# Altium PCB Ethernet2MilProtocolAdapter.PcbDoc (part 3 of 3)
Units mil, origin at the board's own origin, x right, y up, seen from the top; angles counter-clockwise.
Board outline 3750 x 3500 mil, 6 copper layers (SIG TOP, GND 1, PWR, SIG, GND 2, SIG BOT), stack 60.566 mil thick; 244 components, 326 nets, 968 pads, 499 vias.
Unrouted connection lines stored in the file: 227.
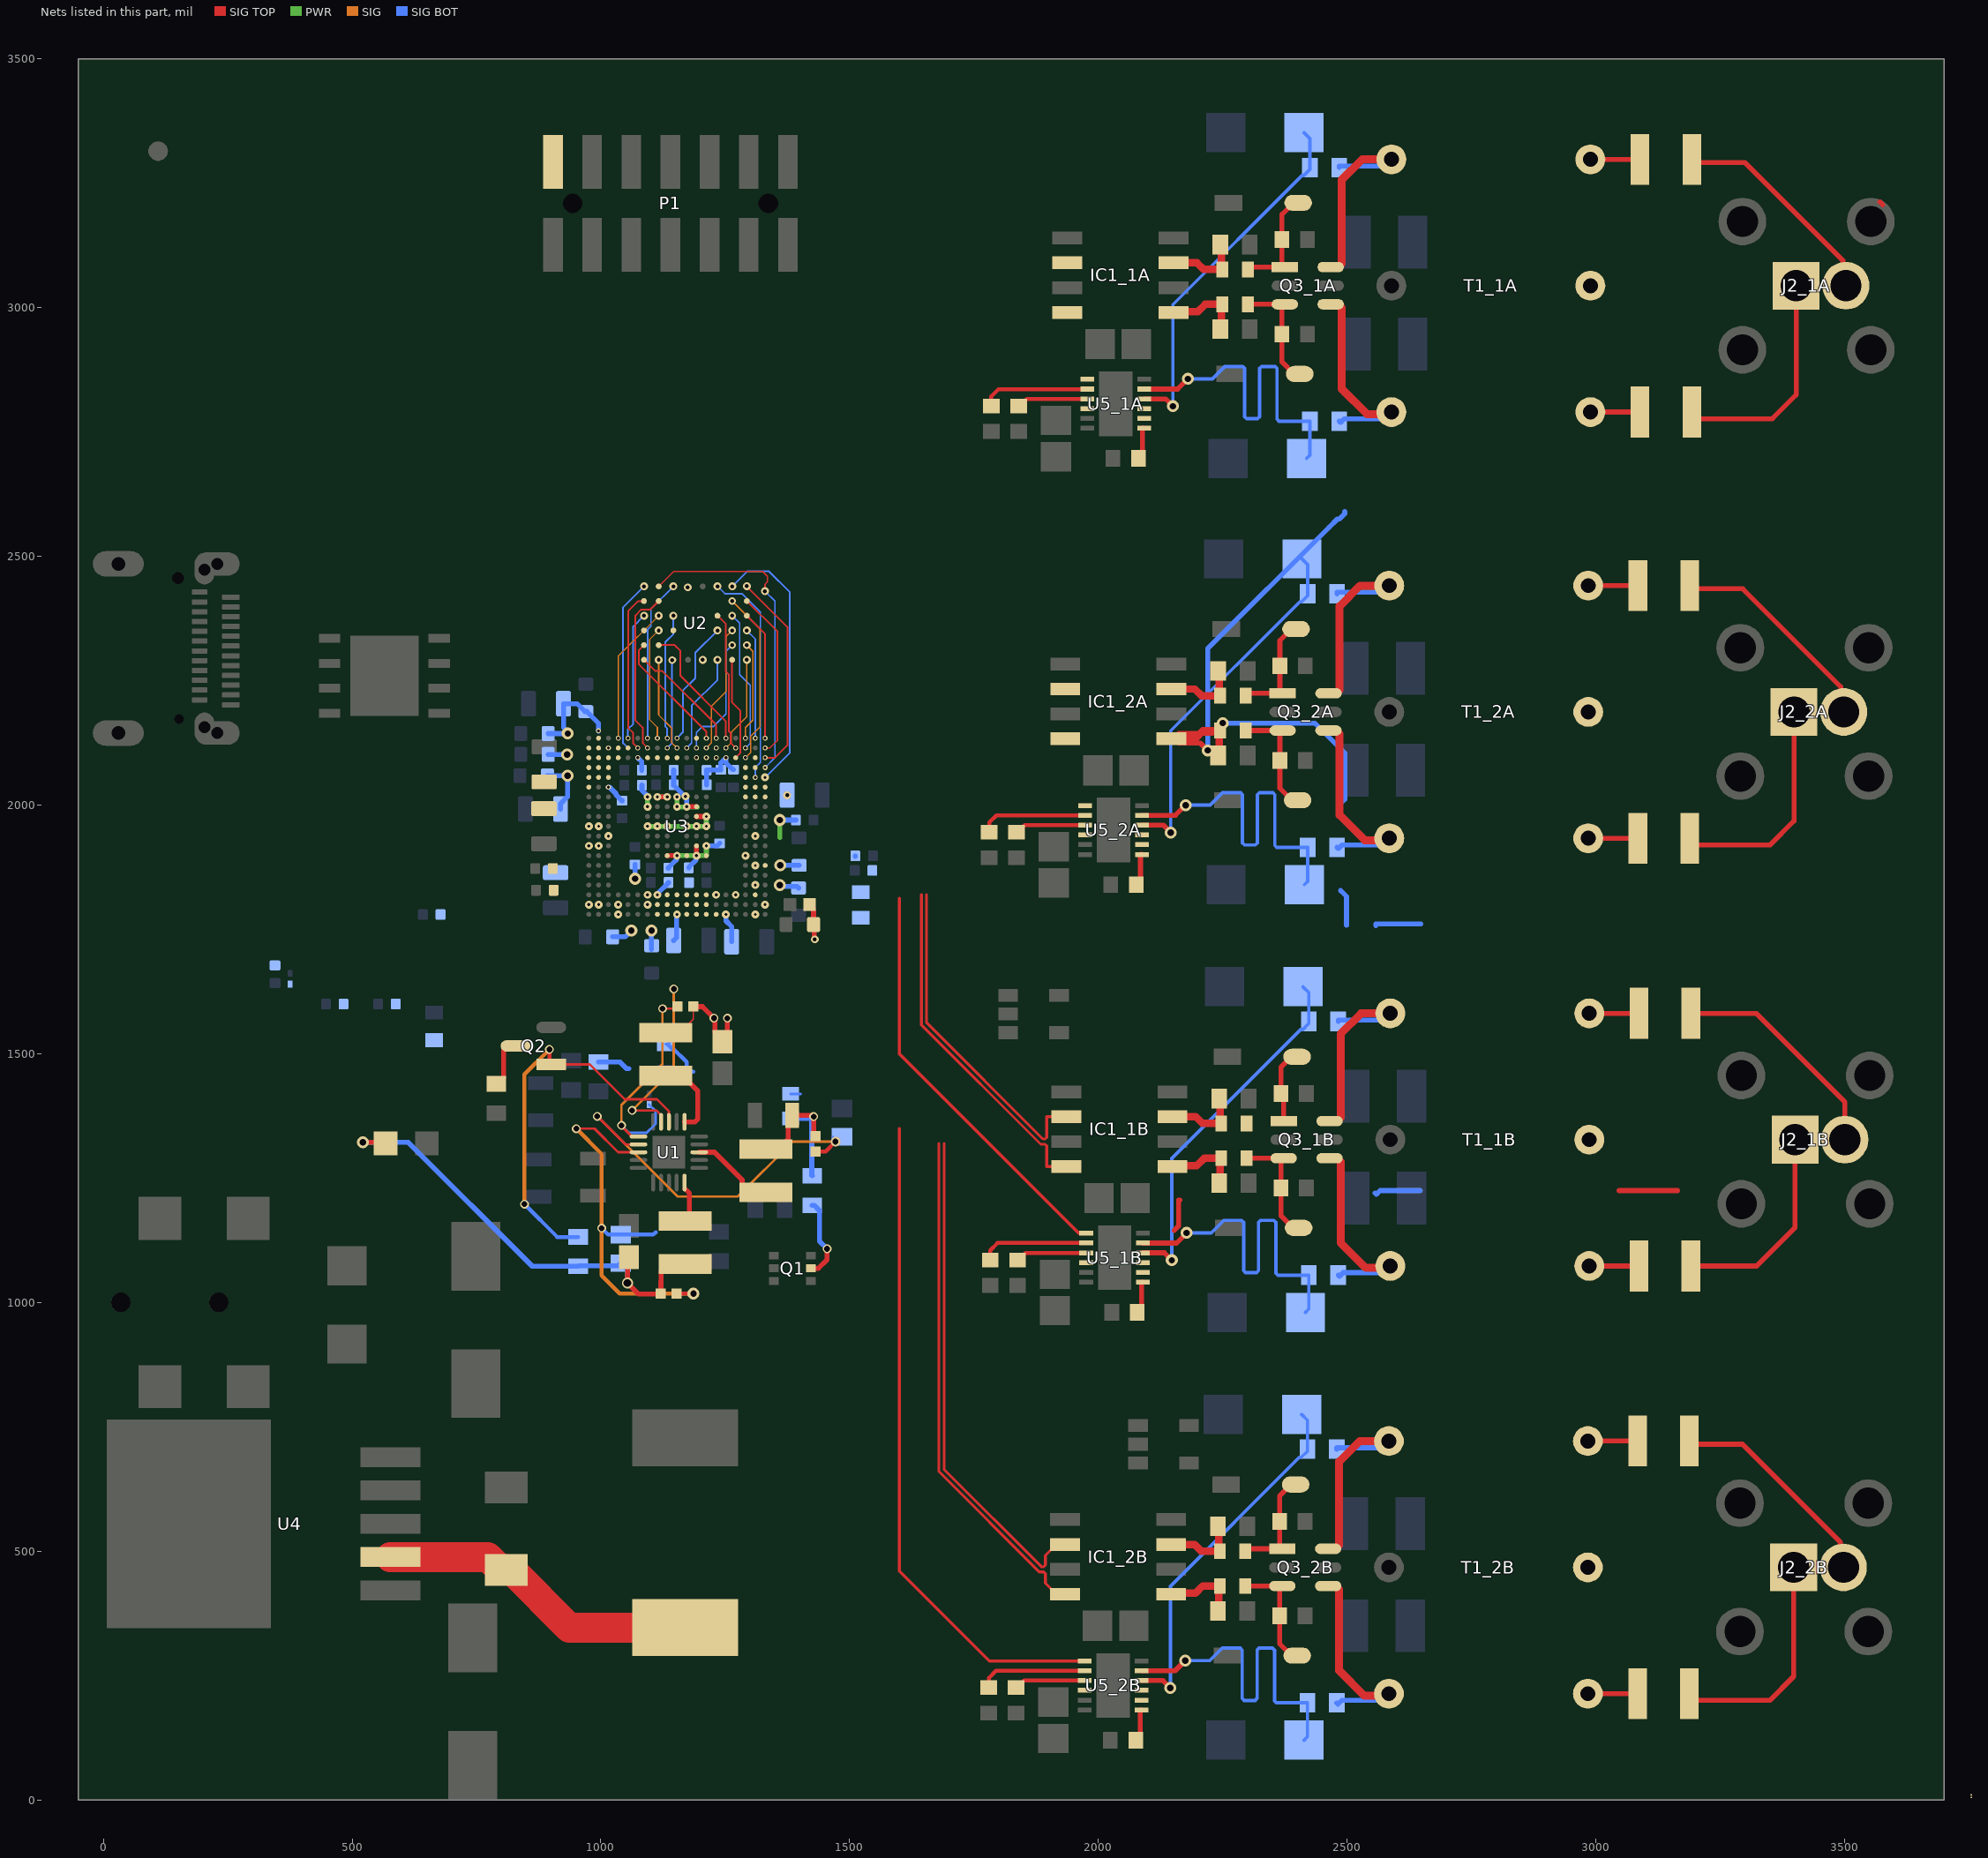
[diagram p7: the nets of this part, all layers, seen from the top]

## Via types
v1: diameter 15.75, hole 5.91, SIG TOP to SIG BOT, tented both sides, 138 vias
v2: diameter 24, hole 13, SIG TOP to SIG BOT, tented both sides, 107 vias
v3: diameter 15.75, hole 7.87, SIG TOP to SIG BOT, tented both sides, 49 vias
v4: diameter 9.84, hole 5.91, SIG TOP to SIG BOT, tented both sides, 46 vias
v5: diameter 19.68, hole 11.81, SIG TOP to SIG BOT, tented both sides, 45 vias
v6: diameter 17.72, hole 11.81, SIG TOP to SIG BOT, tented both sides, 34 vias
v7: diameter 23.62, hole 19.68, SIG TOP to SIG BOT, tented both sides, 27 vias
v8: diameter 19.68, hole 7.87, SIG TOP to SIG BOT, 24 vias
v9: diameter 24/0/0/0/0/24 (per signal layer), hole 13, SIG TOP to SIG BOT, tented both sides, 20 vias
v10: diameter 21.65, hole 15.75, SIG TOP to SIG BOT, tented both sides, 8 vias
v11: diameter 177.17, hole 118.11, SIG TOP to SIG BOT, 1 vias

## Nets (pads, with @x,y where several pads share a name; then routed paths per layer and width w, separated by ;. In a path a pad name is that pad's centre, name@x,y a point inside that pad or via, vN(x,y) a via of type N, cw(c..) or ccw(c..) an arc to the next point about the centre after c; other vN are vias at no path point) (continued)
NetQ1_5: Q1.5 R15.1 | length 163.7
  SIG TOP w10: Q1.5@1422.56,1068.59 1437.4,1068.59 1455,1086.18 1455,1107.72 v6(1454.88,1107.85)
  SIG BOT w10: R15.1@1425,1195.47 1428.94,1195.47 1439.69,1184.72 1439.69,1123.04 v6(1454.88,1107.85)
NetQ2_3: Q2.3 R12.2 | length 103.5
  SIG TOP w10: R12.2@790,1439.53 793.94,1439.53 804.69,1450.28 804.69,1506.98 813.49,1515.78 Q2.3@828.66,1515.78
NetR47_1: R47.1@3755,5
NetR47_2: R47.2@3755,10
NetR58_2: R58.2
NetR59_2: R59.2
NetR60_2: R60.2
NetR61_2: R61.2
NetT1_1A_4: T1_1A.4
NetT1_1B_4: T1_1B.4
NetT1_2A_4: T1_2A.4
NetT1_2B_4: T1_2B.4
NetU2_A3: U2.A3
NetU2_C3: U2.C3
NetU3_A2: U3.A2
  other v1: 975.89,1799.97
NetU3_A8: U3.A8
  other v1: 975.89,1918.08
NetU3_A10: U3.A10
  other v1: 975.89,1957.45
NetU3_A14: U3.A14
NetU3_A15: U3.A15
NetU3_A16: U3.A16
NetU3_A17: U3.A17
NetU3_A18: U3.A18
NetU3_B2: U3.B2
  other v1: 995.57,1799.97
NetU3_B8: U3.B8
  other v1: 995.57,1918.08
NetU3_B10: U3.B10
  other v1: 995.57,1957.45
NetU3_B15: U3.B15
NetU3_B16: U3.B16
NetU3_B17: U3.B17
NetU3_B18: U3.B18
NetU3_C15: U3.C15
NetU3_C16: U3.C16
NetU3_C17: U3.C17
NetU3_D1: U3.D1
  other v1: 1034.94,1780.28
NetU3_D2: U3.D2
  other v1: 1034.94,1799.97
NetU3_D17: U3.D17
NetU3_D18: U3.D18
NetU3_G2: U3.G2
  other v1: 1094,1799.97
NetU3_G3: U3.G3
  other v1: 1094,1819.65
NetU3_G17: U3.G17
NetU3_H1: U3.H1
NetU3_H2: U3.H2
NetU3_H17: U3.H17
NetU3_J1: U3.J1
NetU3_J2: U3.J2
NetU3_J3: U3.J3
NetU3_J17: U3.J17
NetU3_K2: U3.K2
NetU3_K3: U3.K3
NetU3_K17: U3.K17
NetU3_L1: U3.L1
NetU3_L2: U3.L2
NetU3_L3: U3.L3
NetU3_M1: U3.M1
NetU3_M2: U3.M2
NetU3_M3: U3.M3
NetU3_M19: U3.M19
NetU3_N1: U3.N1
NetU3_N2: U3.N2
NetU3_N3: U3.N3
NetU3_N17: U3.N17
  other v4: 1212.11,2095.25
NetU3_P1: U3.P1
NetU3_P3: U3.P3
  other v1: 1231.8,1819.65
NetU3_P17: U3.P17
  other v4: 1231.8,2095.25
NetU3_P18: U3.P18
  other v4: 1231.8,2114.93 1231.8,2114.93 1231.8,2114.93
NetU3_T3: U3.T3
  other v1: 1271.17,1819.65
NetU3_U7: U3.U7
  other v1: 1290.85,1898.39 1290.85,1898.39
NetU3_U14: U3.U14
NetU3_U15: U3.U15
NetU3_U16: U3.U16
NetU3_V3: U3.V3
NetU3_V4: U3.V4
  other v1: 1310.54,1839.34
NetU3_V13: U3.V13
NetU3_V14: U3.V14
NetU3_V16: U3.V16
NetU3_V17: U3.V17
NetU3_W2: U3.W2
  other v1: 1330.22,1799.97
NetU3_W6: U3.W6
NetU3_W13: U3.W13
NetU3_W14: U3.W14
NetU5_1A_4: U5_1A.4
NetU5_1A_8: U5_1A.8
NetU5_1A_9: U5_1A.9
NetU5_1B_4: U5_1B.4
NetU5_1B_8: U5_1B.8
NetU5_1B_9: U5_1B.9
NetU5_2A_4: U5_2A.4
NetU5_2A_8: U5_2A.8
NetU5_2A_9: U5_2A.9
NetU5_2B_4: U5_2B.4
NetU5_2B_8: U5_2B.8
NetU5_2B_9: U5_2B.9
PGOOD: Q2.1 R11.2 U1.3 | length 796
  SIG TOP w5: Q2.1@900.33,1478.37 978.24,1478.37 1047.84,1408.77 1112.51,1408.77 1136.81,1384.47 U1.3@1136.81,1363.1
  SIG TOP w8: v6(896.65,1508.76) 896.65,1482.06 Q2.1@900.33,1478.37
  SIG w8: v6(846.35,1197.73) 846.35,1458.46 v6(896.65,1508.76)
  SIG BOT w8: v6(846.35,1197.73) 912.25,1131.82 R11.2@954.57,1131.82
PMODE: R10.1 R14.2 U1.4 | length 554.2
  SIG TOP w5: v6(1062.9,1386.1) 1111.85,1386.1 1121.07,1376.88 U1.4@1121.07,1363.1
  SIG w5: v6(1062.9,1386.1) 1143.08,1466.28 1146.65,1469.85 v6(1146.65,1630.43)
  SIG BOT w5: R10.1@1130.8,1519.29 1134.74,1519.29 1146.02,1530.57 1146.02,1629.8 v6(1146.65,1630.43)
  SIG BOT w8: R10.1@1134.74,1519.29 1144.52,1509.51 1146.48,1509.51 1172.58,1483.42 1172.58,1473.95 1182.36,1464.17 1185.8,1464.17
RX_EN_b.1: R43_1A.1 U5_1A.2 | length 218.3
  SIG TOP w8: R43_1A.1@1785,2802.58 1785,2821.99 1799.53,2836.52 U5_1A.2@1977.91,2836.52
RX_EN_b.2: R43_1B.1 U5_1B.2 | length 218.3
  SIG TOP w8: R43_1B.1@1782.83,1085.59 1782.83,1105 1797.36,1119.53 U5_1B.2@1975.75,1119.53
RX_EN_b.3: R43_2A.1 U5_2A.2 | length 218.3
  SIG TOP w8: R43_2A.1@1780.68,1945.59 1780.68,1965 1795.2,1979.53 U5_2A.2@1973.59,1979.53
RX_EN_b.4: R43_2B.1 U5_2B.2 | length 218.3
  SIG TOP w8: R43_2B.1@1780,225.59 1780,245 1794.53,259.53 U5_2B.2@1972.91,259.53
RX_IN.1_N: D9_1A.1 R34_1A.1 U5_1A.10 | length 2056.3
  SIG TOP w10: U5_1A.10@2092.09,2816.83 2135.16,2816.83 v2(2150,2801.99) ; 2205.16,2124.84 v2(2220,2110) 2205.16,2124.84 ; 2205.16,2124.84 2162.09,2124.84 2205.16,2124.84
  SIG BOT w6.81: v2(2150,2801.99) 2150,3006.52 2409.19,3265.71 2413.13,3265.71 2425.47,3278.05 2425.47,3340.26 D9_1A.1@2413.74,3351.99
  SIG BOT w10: 2220,2314.53 v2(2220,2110) 2220,2314.53 ; 2220,2314.53 2463.61,2558.14 ; 2220,2314.53 2463.61,2558.14 ; 2463.61,2558.14 2480.79,2575.31 ; 2463.61,2558.14 2480.79,2575.31 ; 2480.79,2575.31 2484.73,2575.31 ; 2480.79,2575.31 2484.73,2575.31 ; 2484.73,2575.31 2495.47,2586.06 ; 2484.73,2575.31 2495.47,2586.06 ; 2495.47,2586.06 2495.47,2590 2495.47,2586.06
  other v2: 2220,2110
RX_IN.1_P: D8_1A.1 R32_1A.1 U5_1A.11 | length 1674.6
  SIG TOP w10: U5_1A.11@2092.09,2836.52 2159.53,2836.52 v2(2180,2856.99) ; 2229.53,2144.53 2162.09,2144.53 2229.53,2144.53 ; 2229.53,2144.53 v2(2250,2165) 2229.53,2144.53
  SIG BOT w6.81: v2(2180,2856.99) 2229.32,2856.99 2254.32,2881.99 2290.33,2881.99 2294.32,2878 2294.32,2780.98 2298.32,2776.99 2320.33,2776.99 2324.32,2780.98 2324.32,2878 2328.32,2881.99 2355.33,2881.99 2359.32,2878 2359.32,2775.98 2363.32,2771.99 R32_1A.1@2425.47,2771.99 2425.47,2703.72 D8_1A.1@2418.74,2696.99
  SIG BOT w10: 2435.16,2165 v2(2250,2165) 2435.16,2165 ; 2435.16,2165 2495.47,2104.69 ; 2435.16,2165 2495.47,2104.69 ; 2495.47,2011.73 2495.47,2104.69 ; 2495.47,2011.73 2488.74,2005 2495.47,2011.73 ; 2495.47,2011.73 2495.47,2104.69
  other v2: 2250,2165
RX_IN.2_N: D9_1B.1 R34_1B.1 U5_1B.10 | length 809.7
  SIG TOP w10: U5_1B.10@2089.92,1099.84 2132.99,1099.84 v2(2147.83,1085)
  SIG BOT w6.81: v2(2147.83,1085) 2147.83,1289.53 2407.03,1548.72 2410.97,1548.72 2423.31,1561.06 2423.31,1623.27 D9_1B.1@2411.57,1635
  SIG BOT w10: 2487.42,1828 2499.15,1816.27 2499.15,1758.53
RX_IN.2_P: D8_1B.1 R32_1B.1 U5_1B.11 | length 736
  SIG TOP w10: U5_1B.11@2089.92,1119.53 2157.36,1119.53 v2(2177.83,1140)
  SIG BOT w6.81: v2(2177.83,1140) 2227.16,1140 2252.16,1165 2288.17,1165 2292.16,1161.01 2292.16,1063.99 2296.15,1060 2318.17,1060 2322.16,1063.99 2322.16,1161.01 2326.15,1165 2353.17,1165 2357.16,1161.01 2357.16,1058.99 2361.15,1055 R32_1B.1@2423.31,1055 2423.31,986.73 D8_1B.1@2416.57,980
RX_IN.3_N: D9_2A.1 R34_2A.1 U5_2A.10 | length 735.3
  SIG TOP w10: U5_2A.10@2087.76,1959.84 2130.83,1959.84 v2(2145.68,1945)
  SIG BOT w6.81: v2(2145.68,1945) 2145.68,2149.53 2404.87,2408.72 2408.81,2408.72 2421.15,2421.06 2421.15,2483.27 D9_2A.1@2409.42,2495
RX_IN.3_P: D8_2A.1 R32_2A.1 U5_2A.11 | length 736
  SIG TOP w10: U5_2A.11@2087.76,1979.53 2155.2,1979.53 v2(2175.68,2000)
  SIG BOT w6.81: v2(2175.68,2000) 2225,2000 2250,2025 2286.01,2025 2290,2021.01 2290,1923.99 2293.99,1920 2316.01,1920 2320,1923.99 2320,2021.01 2323.99,2025 2351.01,2025 2355,2021.01 2355,1918.99 2358.99,1915 R32_2A.1@2421.15,1915 2421.15,1846.73 D8_2A.1@2414.42,1840
RX_IN.4_N: D9_2B.1 R34_2B.1 U5_2B.10 | length 735.3
  SIG TOP w10: U5_2B.10@2087.09,239.84 2130.16,239.84 v2(2145,225)
  SIG BOT w6.81: v2(2145,225) 2145,429.53 2404.19,688.72 2408.13,688.72 2420.47,701.06 2420.47,763.27 D9_2B.1@2408.74,775
RX_IN.4_P: D8_2B.1 R32_2B.1 U5_2B.11 | length 736
  SIG TOP w10: U5_2B.11@2087.09,259.53 2154.53,259.53 v2(2175,280)
  SIG BOT w6.81: v2(2175,280) 2224.32,280 2249.32,305 2285.33,305 2289.32,301.01 2289.32,203.99 2293.32,200 2315.33,200 2319.32,203.99 2319.32,301.01 2323.32,305 2350.33,305 2354.32,301.01 2354.32,198.99 2358.32,195 R32_2B.1@2420.47,195 2420.47,126.73 D8_2B.1@2413.74,120
RX_OUT.1: R46.1 U5_1A.1
RX_OUT.2: R51.1 U5_1B.1 | length 837.4
  SIG TOP w6.5: 1600,1812.18 1600,1500 1960.79,1139.21 U5_1B.1@1975.75,1139.21
RX_OUT.3: R54.1 U5_2A.1
RX_OUT.4: R57.1 U5_2B.1 | length 1337.8
  SIG TOP w6: 1600,1350 1600,460 1780.79,279.21 U5_2B.1@1972.91,279.21
SIG_1553_BOTTOM.1: Q3_1A.6 R34_1A.2 T1_1A.1 | length 590.7
  SIG TOP w16: Q3_1A.6@2467.17,3081.79 2482.08,3081.79 2489.32,3089.04 2489.32,3256.99 2530.73,3298.39 T1_1A.1@2589.32,3298.39
  SIG BOT w10: R34_1A.2@2484.53,3281.99 2484.53,3284.99 T1_1A.1@2575,3284.99 ; 2558.2,1761 2558.2,1758 2558.2,1761 ; 2558.2,1761 2648.68,1761 2558.2,1761
SIG_1553_BOTTOM.2: Q3_1B.6 R34_1B.2 T1_1B.1 | length 403.7
  SIG TOP w16: Q3_1B.6@2465,1364.8 2479.91,1364.8 2487.16,1372.05 2487.16,1540 2528.56,1581.4 T1_1B.1@2587.16,1581.4
  SIG BOT w10: R34_1B.2@2482.36,1565 2482.36,1568 T1_1B.1@2572.83,1568
SIG_1553_BOTTOM.3: Q3_2A.6 R34_2A.2 T1_2A.1 | length 403.7
  SIG TOP w16: Q3_2A.6@2462.85,2224.8 2477.75,2224.8 2485,2232.05 2485,2400 2526.4,2441.4 T1_2A.1@2585,2441.4
  SIG BOT w10: R34_2A.2@2480.2,2425 2480.2,2428 T1_2A.1@2570.68,2428
SIG_1553_BOTTOM.4: Q3_2B.6 R34_2B.2 T1_2B.1 | length 403.7
  SIG TOP w16: Q3_2B.6@2462.17,504.8 2477.08,504.8 2484.32,512.05 2484.32,680 2525.73,721.4 T1_2B.1@2584.32,721.4
  SIG BOT w10: R34_2B.2@2479.53,705 2479.53,708 T1_2B.1@2570,708
SIG_1553_TOP.1: Q3_1A.4 R32_1A.2 T1_1A.5 | length 584.3
  SIG TOP w16: Q3_1A.4@2467.17,3006.99 2482.08,3006.99 2489.32,2999.74 2489.32,2836.99 2539.91,2786.41 2569,2786.41 2569,2782.99 T1_1A.5@2575,2776.99
  SIG BOT w10: R32_1A.2@2484.53,2771.99 2487.03,2769.49 2494.53,2776.99 T1_1A.5@2575,2776.99 ; 2559.19,1217.5 2556.69,1220 2559.19,1217.5 ; 2559.19,1217.5 2566.69,1225 ; 2559.19,1217.5 2566.69,1225 ; 2566.69,1225 2647.16,1225 2566.69,1225
SIG_1553_TOP.2: Q3_1B.4 R32_1B.2 T1_1B.5 | length 395.1
  SIG TOP w16: Q3_1B.4@2465,1290 2479.91,1290 2487.16,1282.75 2487.16,1120 2537.74,1069.42 2566.83,1069.42 2566.83,1066 T1_1B.5@2572.83,1060
  SIG BOT w10: R32_1B.2@2482.36,1055 2484.86,1052.5 2492.36,1060 T1_1B.5@2572.83,1060
SIG_1553_TOP.3: Q3_2A.4 R32_2A.2 T1_2A.5 | length 395.1
  SIG TOP w16: Q3_2A.4@2462.85,2150 2477.75,2150 2485,2142.75 2485,1980 2535.58,1929.42 2564.67,1929.42 2564.67,1926 T1_2A.5@2570.68,1920
  SIG BOT w10: R32_2A.2@2480.2,1915 2482.7,1912.5 2490.2,1920 T1_2A.5@2570.68,1920
SIG_1553_TOP.4: Q3_2B.4 R32_2B.2 T1_2B.5 | length 395.1
  SIG TOP w16: Q3_2B.4@2462.17,430 2477.08,430 2484.32,422.75 2484.32,260 2534.91,209.42 2564,209.42 2564,206 T1_2B.5@2570,200
  SIG BOT w10: R32_2B.2@2479.53,195 2482.03,192.5 2489.53,200 T1_2B.5@2570,200
SLOW_MODE_ENABLE.1_n: R39_1A.1 U5_1A.7 | length 201.7
  SIG TOP w10: R39_1A.1@2080.59,2696.99 2089.14,2705.54 2089.14,2757.7 2089.22,2757.78 U5_1A.7@2092.09,2757.78 ; 2161.3,1153.55 2152.75,1145 2161.3,1153.55 ; 2161.3,1153.55 2161.3,1205.71 ; 2161.3,1153.55 2161.3,1205.71 ; 2161.3,1205.71 2161.38,1205.79 ; 2161.3,1205.71 2161.38,1205.79 ; 2161.38,1205.79 2164.24,1205.79 2161.38,1205.79
SLOW_MODE_ENABLE.2_n: R39_1B.1 U5_1B.7 | length 67.2
  SIG TOP w10: R39_1B.1@2078.42,980 2086.97,988.55 2086.97,1040.71 2087.05,1040.79 U5_1B.7@2089.92,1040.79
SLOW_MODE_ENABLE.3_n: R39_2A.1 U5_2A.7 | length 67.2
  SIG TOP w10: R39_2A.1@2076.27,1840 2084.82,1848.55 2084.82,1900.71 2084.89,1900.79 U5_2A.7@2087.76,1900.79
SLOW_MODE_ENABLE.4_n: R39_2B.1 U5_2B.7 | length 67.2
  SIG TOP w10: R39_2B.1@2075.59,120 2084.14,128.55 2084.14,180.71 2084.22,180.79 U5_2B.7@2087.09,180.79
SRAM-A0: U2.A1 U3.P19 | length 226
  SIG TOP w3.54: U2.A1@1086.81,2292.19 1109,2270 1123.35,2270 1231.8,2161.56 v4(1231.8,2134.62)
SRAM-A1: U2.A2 U3.N19 | length 247.8
  SIG TOP w3.54: U2.A2@1086.81,2321.72 1076.18,2311.09 1076.18,2283.82 1212.11,2147.89 v4(1212.11,2134.62)
SRAM-A2: U2.B2 U3.R19 | length 261.8
  SIG TOP w3.54: U2.B2@1116.33,2321.72 1148.28,2321.72 1160,2310 1160,2260 1250.89,2169.11 1250.89,2145.61 1251.48,2145.02 v4(1251.48,2134.62)
SRAM-A3: U2.A4 U3.E19 | length 259.5
  SIG BOT w3.54: v4(1054.63,2134.62) 1054.63,2152.9 1065,2163.27 1065,2358.97 v3(1086.81,2380.78)
SRAM-A4: U2.B4 U3.D19 | length 279.9
  SIG w2.78: v4(1034.94,2134.62) 1034.94,2299.39 v3(1116.33,2380.78)
SRAM-A5: U2.C4 U3.J19 | length 254.1
  SIG BOT w3.54: v4(1133.37,2134.62) 1133.37,2154.3 1130,2157.67 1130,2328.31 1145.86,2344.17 v3(1145.86,2380.78)
SRAM-A6: U2.A5 U3.F18 | length 323.3
  SIG TOP w3.54: v4(1074.31,2114.93) 1064.62,2124.62 1064.62,2145.71 1055,2155.33 1055,2390 1075.3,2410.3 U2.A5@1086.81,2410.3
SRAM-A7: U2.B5 U3.G18 | length 335.3
  SIG TOP w3: 1084.35,2124.58 v4(1094,2114.93)
  SIG TOP w3.54: 1084.35,2124.58 1084.01,2124.92 1084.01,2155.99 1069.64,2170.36 1069.64,2381.49 1081.57,2393.42 1099.45,2393.42 U2.B5@1116.33,2410.3
SRAM-A8: U2.A6 U3.E18 | length 346.3
  SIG BOT w3.54: 1054.63,2114.93 1044.94,2124.62 1044.94,2397.96 v3(1086.81,2439.83)
SRAM-A9: U2.H1 U3.R18 | length 194.7
  SIG w2.78: v4(1251.48,2114.93) 1261.85,2125.3 1261.85,2145.87 1293.5,2177.51 v3(1293.5,2292.19)
SRAM-A10: U2.H2 U3.U19 | length 198.4
  SIG w2.78: v4(1290.85,2134.62) 1290.85,2155.85 1305.76,2170.76 1305.76,2309.46 v3(1293.5,2321.72)
SRAM-A11: U2.H3 U3.V19 | length 223.7
  SIG BOT w3: v3(1293.5,2351.25) 1310.54,2334.21 v4(1310.54,2134.62)
SRAM-A12: U2.H4 U3.W19 | length 261.4
  SIG TOP w3.54: U2.H4@1293.5,2380.78 1330.22,2344.06 v4(1330.22,2134.62)
SRAM-A13: U2.H5 U3.W18 | length 336.8
  SIG TOP w3: v4(1330.22,2114.93) 1339.93,2114.93 1355,2130
  SIG TOP w3.54: U2.H5@1293.5,2410.3 1355,2348.8 1355,2130
SRAM-A14: U2.H6 U3.W17 | length 409
  SIG TOP w3.54: v3(1293.51,2440.25) U2.H6@1293.5,2439.83 1375,2358.33 1375,2120 1350.25,2095.25 v4(1330.22,2095.25)
SRAM-A15: U2.G5 U3.U17 | length 350.3
  SIG w2.78: v3(1263.97,2410.3) 1320,2354.28 1320,2157.25 1301.22,2138.47 1301.22,2105.62 v4(1290.85,2095.25)
SRAM-A16: U2.G4 U3.U18 | length 284.8
  SIG BOT w3: v3(1263.97,2380.78) 1278.99,2365.76 1278.99,2262.45 1300.27,2241.16 1300.27,2124.35 1299.81,2123.89 v4(1290.85,2114.93)
SRAM-A17: U2.F4 U3.T18 | length 281.1
  SIG TOP w3.54: U2.F4@1234.44,2380.78 1251.33,2363.9 1251.33,2268.67 1257.43,2262.57 1257.43,2148.32 1261.17,2144.58 1261.17,2124.92 v4(1271.17,2114.93)
SRAM-A18: U2.F3 U3.K19 | length 250.3
  SIG BOT w3.54: v4(1153.05,2134.62) 1165,2146.56 1165,2230 1190,2255 1190,2306.81 v3(1234.44,2351.25)
SRAM-CE_n: U2.G3 U3.N18 | length 257.8
  SIG w2.78: v4(1212.11,2114.93) 1222.48,2125.3 1222.48,2199 1251.71,2228.23 1251.71,2338.98 v3(1263.97,2351.25)
SRAM-DQ0: U2.B6 U3.W16 | length 638.3
  SIG TOP w3: U2.B6@1116.33,2439.83 1146.5,2470 1325.11,2470 1335,2460.11 1335,2449.28 1330,2444.28 v3(1330,2430)
  SIG BOT w3: v3(1330,2430) 1349.91,2410.09 1349.91,2095.25 v4(1330.22,2075.56)
SRAM-DQ1: U2.C6 U3.G19 | length 326.7
  SIG BOT w3: v4(1094,2134.62) 1094,2352.65 1100.98,2359.63 1100.98,2394.94 v3(1145.86,2439.83)
SRAM-DQ2: U2.F6 U3.V15 | length 444.2
  SIG BOT w3: v3(1234.48,2440.03) 1249.36,2425.16 1283.58,2425.16 1320.82,2387.91 1320.82,2138.54 ; v4(1310.54,2055.88) 1310.54,2075.54 1320.82,2085.82 1320.82,2091.32 ; 1320.8,2091.34 1320.8,2138.52
SRAM-DQ3: U2.G6 U3.W15 | length 538.5
  SIG BOT w3.54: v3(1264.22,2439.82) 1294.4,2470 1338.11,2470 1380,2428.11 1380,2105.66 v1(1330.22,2055.88)
SRAM-DQ4: U2.B1 U3.K18 | length 192.5
  SIG w2.78: v3(1116.33,2292.19) 1116.33,2181.3 1142.68,2154.95 1142.68,2125.3 v4(1153.05,2114.93)
SRAM-DQ5: U2.C1 U3.J18 | length 180.8
  SIG BOT w3: v4(1133.37,2114.93) 1143.33,2124.89
  SIG BOT w3.54: 1143.33,2124.89 v3(1143.33,2291.58)
SRAM-DQ6: U2.F1 U3.L18 | length 202.8
  SIG BOT w3: v4@1172.64,2115.03 1182.69,2125.08 1182.69,2177.31
  SIG BOT w3.54: 1182.69,2177.31 1182.69,2200.23 1234.44,2251.99 v3(1234.44,2292.19)
  other v4: 1172.74,2114.93
SRAM-DQ7: U2.G1 U3.T17 | length 208
  SIG TOP w3.54: U2.G1@1263.97,2292.19 1263.97,2206.76 1280.86,2189.87 1280.86,2104.94 U3.T17@1271.17,2095.25
SRAM-OE_n: U2.G2 U3.M18 | length 249.3
  SIG BOT w3: v4(1192.42,2114.93) 1192.42,2145.9 1204.72,2158.2 1226.75,2158.2 1251.72,2183.17 1251.72,2309.47 v3(1263.97,2321.72)
SRAM-WE_n: U2.B3 U3.H19 | length 230.8
  SIG w2.78: v4(1113.68,2134.62) 1113.68,2156.32 1097.9,2172.1 1097.9,2332.82 v3(1116.33,2351.25)
SW1_FB: C1.2@1431.4,1303.32 R1.1 R2.1 U1.7 | length 778.7
  SIG TOP w5: v6(992.85,1374.36) 1049.39,1317.82 U1.7@1075.79,1317.82
  SIG TOP w8: C1.2@1431.4,1303.32 1451.8,1303.32 v5(1471.8,1323.32)
  SIG w5: v6(992.85,1374.36) 1154.28,1212.93 1275.37,1212.93 1385.76,1323.32 v5(1471.8,1323.32)
  SIG BOT w5: R1.1@1381.45,1419.33 1401.89,1419.33 ; 1466.38,1332.71 1471.8,1327.29 v5(1471.8,1323.32)
SW1_OUT: L1.1 U1.18 | length 173.8
  SIG TOP w10: U1.18@1197.84,1302.08 1228.6,1302.08 1283.92,1246.75 1283.92,1236.17 1298.61,1221.48 L1.1@1332.07,1221.48
SW2_FB: C7.2 R3.1 R4.1 U1.6 | length 471.9
  SIG TOP w3: C7.2@1145.94,1590.85 1150,1594.91 C7.2@1154.27,1594.91
  SIG TOP w5: v6(1041.42,1356.03) 1041.42,1354.94 1062.79,1333.57 U1.6@1075.79,1333.57 ; v6(1123.94,1590.85) C7.2@1145.94,1590.85
  SIG w5: v6(1041.42,1356.03) 1041.42,1396.97 1123.94,1479.49 v6(1123.94,1590.85)
  SIG BOT w5: v6(1041.42,1356.03) 1056.5,1340.95 1091.88,1340.95 1110,1359.07 1110,1384.97 R4.1@1097.01,1397.96
SW2_OUT: L2.1 U1.1 | length 162.2
  SIG TOP w10: L2.1@1130.88,1456.08 1164.34,1456.08 1194.89,1425.54 1194.89,1368.96 1189.03,1363.1 U1.1@1168.31,1363.1
SW3_FB: C8.2 R5.1 R6.1 U1.8 | length 810.4
  SIG TOP w5: v6(950.69,1349.53) 987.26,1349.53 1034.71,1302.08 U1.8@1075.79,1302.08
  SIG TOP w8: C8.2@1152.23,1018.06 v2(1186.3,1018.06)
  SIG w8: v6(950.69,1349.53) 1001.69,1298.53 v6(1001.69,1149.4) 1001.69,1054.44 1038.08,1018.06 v2(1186.3,1018.06)
  SIG BOT w8: v6(1001.69,1149.4) 1014.36,1136.73 R5.1@1040.03,1136.73 ; R5.1@1040.29,1136.44 1105.55,1136.44 1110.43,1141.31
SW3_OUT: L3.1 U1.15 | length 71.7
  SIG TOP w10: U1.15@1169.37,1228.33 1178.22,1219.49 1178.22,1172.69 L3.1@1169.48,1163.95
SW_REG_5V_OUT: D7.1 L5.1 U4.2 | length 640.2
  SIG TOP w60: U4.2@577.07,488.12 772.79,488.12 797.09,463.82 808.11,463.82 D7.1@810,461.93 ; D7.1@821.02,461.93 936.66,346.29 L5.1@1169.53,346.29
TRAN_BOT.1: R33_1A.1 T1_1A.2 | length 111.2
  SIG TOP w10: T1_1A.2@2989.32,3298.39 3075.46,3298.39 3089.16,3284.69 R33_1A.1@3089.16,3278.99
TRAN_BOT.2: R33_1B.1 T1_1B.2 | length 111.2
  SIG TOP w10: T1_1B.2@2987.16,1581.4 3073.29,1581.4 3086.99,1567.7 R33_1B.1@3086.99,1562
TRAN_BOT.3: R33_2A.1 T1_2A.2 | length 111.2
  SIG TOP w10: T1_2A.2@2985,2441.4 3071.13,2441.4 3084.83,2427.7 R33_2A.1@3084.83,2422
TRAN_BOT.4: R33_2B.1 T1_2B.2 | length 111.2
  SIG TOP w10: T1_2B.2@2984.32,721.4 3070.46,721.4 3084.16,707.7 R33_2B.1@3084.16,702
TRAN_TOP.1: R31_1A.1 T1_1A.6 | length 114.2
  SIG TOP w10: T1_1A.6@2989.32,2777.99 3000.02,2777.99 3012.42,2790.39 3079.43,2790.39 R31_1A.1@3092.83,2776.99
TRAN_TOP.2: R31_1B.1 T1_1B.6 | length 114.2
  SIG TOP w10: T1_1B.6@2987.16,1061 2997.85,1061 3010.26,1073.4 3077.27,1073.4 R31_1B.1@3090.67,1060
TRAN_TOP.3: R31_2A.1 T1_2A.6 | length 232
  SIG TOP w10: T1_2A.6@2985,1921 2995.69,1921 3008.1,1933.4 3075.11,1933.4 R31_2A.1@3088.51,1920 ; 3047.16,1225 3164.99,1225
TRAN_TOP.4: R31_2B.1 T1_2B.6 | length 114.2
  SIG TOP w10: T1_2B.6@2984.32,201 2995.02,201 3007.42,213.4 3074.43,213.4 R31_2B.1@3087.83,200
TRIAX_CENTER.1: J2_1A.1 R31_1A.2 | length 442.7
  SIG TOP w10: R31_1A.2@3197.17,2776.99 3355,2776.99 3403,2824.99 J2_1A.1@3403,3041.99
TRIAX_CENTER.2: J2_1B.1 R31_1B.2 | length 418.2
  SIG TOP w10: R31_1B.2@3191.32,1073.4 3323.4,1073.4 3400.83,1150.83 J2_1B.1@3400.83,1327.4
TRIAX_CENTER.3: J2_2A.1 R31_2A.2 | length 442.7
  SIG TOP w10: R31_2A.2@3192.84,1920 3350.68,1920 3398.68,1968 J2_2A.1@3398.68,2185
TRIAX_CENTER.4: J2_2B.1 R31_2B.2 | length 442.7
  SIG TOP w10: R31_2B.2@3192.17,200 3350,200 3398,248 J2_2B.1@3398,465
TRIAX_INTER.1: J2_1A.2 R33_1A.2 | length 443.2
  SIG TOP w10: R33_1A.2@3193.49,3298.39 3199.89,3291.99 3300,3291.99 3497.02,3094.97 3497.02,3047.97 J2_1A.2@3503,3041.99
TRIAX_INTER.2: J2_1B.2 R33_1B.2 | length 459.1
  SIG TOP w10: R33_1B.2@3191.32,1581.4 3322.61,1581.4 3500.83,1403.17 J2_1B.2@3500.83,1327.4
TRIAX_INTER.3: J2_2A.2 R33_2A.2 | length 443.2
  SIG TOP w10: R33_2A.2@3189.16,2441.4 3195.57,2435 3295.68,2435 3492.69,2237.98 3492.69,2190.98 J2_2A.2@3498.68,2185
TRIAX_INTER.4: J2_2B.2 R33_2B.2 | length 460.2
  SIG TOP w10: R33_2B.2@3188.49,721.4 3194.89,715 3295,715 3492.02,517.98 3492.02,470.98 J2_2B.2@3498,465 ; 3571.34,3212.97 3577.32,3206.99 3571.34,3212.97
TX_EN.1: R42_1A.2 U5_1A.3 | length 143.8
  SIG TOP w8: R42_1A.2@1840,2802.58 1841.97,2802.58 1856.22,2816.83 U5_1A.3@1977.91,2816.83
TX_EN.2: R42_1B.2 U5_1B.3 | length 143.8
  SIG TOP w8: R42_1B.2@1837.83,1085.59 1839.8,1085.59 1854.05,1099.84 U5_1B.3@1975.75,1099.84
TX_EN.3: R42_2A.2 U5_2A.3 | length 143.8
  SIG TOP w8: R42_2A.2@1835.68,1945.59 1837.64,1945.59 1851.9,1959.84 U5_2A.3@1973.59,1959.84
TX_EN.4: R42_2B.2 U5_2B.3 | length 143.8
  SIG TOP w8: R42_2B.2@1835,225.59 1836.97,225.59 1851.22,239.84 U5_2B.3@1972.91,239.84
TX_OUT.1_N: IC1_1A.4 R45.2
TX_OUT.1_P: IC1_1A.2 R44.2
TX_OUT.2_N: IC1_1B.4 R50.2 | length 695.4
  SIG TOP w5.51: 1644.49,1820 1644.49,1754.5 1644.49,1623.51 1644.49,1558.02 1884.33,1318.18 1893.25,1318.18 1896.48,1314.95 1896.48,1273.53 1896.57,1273.43
  SIG TOP w6.5: 1896.57,1273.43 IC1_1B.4@1935.75,1273.43
TX_OUT.2_P: IC1_1B.2 R49.2 | length 678
  SIG TOP w5.51: 1655,1820 1655,1562.37 1888.68,1328.69 1893.25,1328.69 1896.48,1331.92 1896.48,1373.34 1896.57,1373.43
  SIG TOP w6.5: 1896.57,1373.43 IC1_1B.2@1935.75,1373.43
TX_OUT.3_N: IC1_2A.4 R53.2
TX_OUT.3_P: IC1_2A.2 R52.2
TX_OUT.4_N: IC1_2B.4 R56.2 | length 1026.9
  SIG TOP w5.51: 1679.49,1320 1679.49,660.18 1881.49,458.18 1890.41,458.18 1893.64,454.95 1893.64,435.49 1915.69,413.43 IC1_2B.4@1932.92,413.43
TX_OUT.4_P: IC1_2B.2 R55.2 | length 1009.4
  SIG TOP w5.51: 1690,1320 1690,664.54 1885.85,468.69 1890.41,468.69 1893.64,471.92 1893.64,491.38 1915.69,513.43 IC1_2B.2@1932.92,513.43
TX_OUT_DRIVE.1_N: IC1_1A.5 R38_1A.1 R40_1A.1 | length 149.7
  SIG TOP w15: IC1_1A.5@2151.46,2990.42 2153.32,2992.28 2200.39,2992.28 2215.1,3006.99 R40_1A.1@2249.41,3006.99 ; R38_1A.1@2245.47,2956.99 2247.44,2958.96 R40_1A.1@2247.44,3001.08
TX_OUT_DRIVE.1_P: IC1_1A.7 R35_1A.1 R36_1A.1 | length 152.4
  SIG TOP w15: IC1_1A.7@2151.46,3090.42 2198.61,3090.42 2212.05,3076.99 R36_1A.1@2249.41,3076.99 ; R35_1A.1@2245.47,3126.99 2247.44,3125.02 R36_1A.1@2247.44,3078.96
TX_OUT_DRIVE.2_N: IC1_1B.5 R38_1B.1 R40_1B.1 | length 149.7
  SIG TOP w15: IC1_1B.5@2149.29,1273.43 2151.16,1275.3 2198.23,1275.3 2212.93,1290 R40_1B.1@2247.24,1290 ; R38_1B.1@2243.31,1240 2245.27,1241.97 R40_1B.1@2245.27,1284.09
TX_OUT_DRIVE.2_P: IC1_1B.7 R35_1B.1 R36_1B.1 | length 152.4
  SIG TOP w15: IC1_1B.7@2149.29,1373.43 2196.45,1373.43 2209.88,1360 R36_1B.1@2247.24,1360 ; R35_1B.1@2243.31,1410 2245.27,1408.03 R36_1B.1@2245.27,1361.97
TX_OUT_DRIVE.3_N: IC1_2A.5 R38_2A.1 R40_2A.1 | length 149.7
  SIG TOP w15: IC1_2A.5@2147.14,2133.43 2149,2135.3 2196.07,2135.3 2210.77,2150 R40_2A.1@2245.09,2150 ; R38_2A.1@2241.15,2100 2243.12,2101.97 R40_2A.1@2243.12,2144.09
TX_OUT_DRIVE.3_P: IC1_2A.7 R35_2A.1 R36_2A.1 | length 152.4
  SIG TOP w15: IC1_2A.7@2147.14,2233.43 2194.29,2233.43 2207.72,2220 R36_2A.1@2245.09,2220 ; R35_2A.1@2241.15,2270 2243.12,2268.03 R36_2A.1@2243.12,2221.97
TX_OUT_DRIVE.4_N: IC1_2B.5 R38_2B.1 R40_2B.1 | length 149.7
  SIG TOP w15: IC1_2B.5@2146.46,413.43 2148.32,415.3 2195.39,415.3 2210.1,430 R40_2B.1@2244.41,430 ; R38_2B.1@2240.47,380 2242.44,381.97 R40_2B.1@2242.44,424.09
TX_OUT_DRIVE.4_P: IC1_2B.7 R35_2B.1 R36_2B.1 | length 152.4
  SIG TOP w15: IC1_2B.7@2146.46,513.43 2193.61,513.43 2207.05,500 R36_2B.1@2244.41,500 ; R35_2B.1@2240.47,550 2242.44,548.03 R36_2B.1@2242.44,501.97
TX_OUT_GATE.1_N: D11_1A.2 Q3_1A.3 R40_1A.2 R41_1A.2 | length 238
  SIG TOP w10: R40_1A.2@2300.59,3006.99 Q3_1A.3@2375,3006.99 ; Q3_1A.3@2374.35,3006.99 2369.41,3002.05 2369.41,2891.12 2393.54,2866.99 D11_1A.2@2405.08,2866.99
TX_OUT_GATE.1_P: D10_1A.2 Q3_1A.1 R36_1A.2 R37_1A.2 | length 227
  SIG TOP w10: R36_1A.2@2300.59,3076.99 2305.39,3081.79 Q3_1A.1@2375,3081.79 2374.76,3081.79 2369.41,3087.14 2369.41,3187.87 2392.53,3210.99 D10_1A.2@2401.93,3210.99
TX_OUT_GATE.2_N: D11_1B.2 Q3_1B.3 R40_1B.2 R41_1B.2 | length 238
  SIG TOP w10: R40_1B.2@2298.42,1290 Q3_1B.3@2372.83,1290 ; Q3_1B.3@2372.19,1290 2367.24,1285.06 2367.24,1174.13 2391.37,1150 D11_1B.2@2402.91,1150
TX_OUT_GATE.2_P: D10_1B.2 Q3_1B.1 R36_1B.2 R37_1B.2 | length 151.7
  SIG TOP w10: Q3_1B.1@2372.83,1364.8 2372.83,1412.44 2367.24,1418.03 2367.24,1473.02 2388.23,1494 D10_1B.2@2399.76,1494
TX_OUT_GATE.3_N: D11_2A.2 Q3_2A.3 R40_2A.2 R41_2A.2 | length 238
  SIG TOP w10: R40_2A.2@2296.27,2150 Q3_2A.3@2370.68,2150 ; Q3_2A.3@2370.03,2150 2365.09,2145.06 2365.09,2034.13 2389.22,2010 D11_2A.2@2400.75,2010
TX_OUT_GATE.3_P: D10_2A.2 Q3_2A.1 R36_2A.2 R37_2A.2 | length 227
  SIG TOP w10: R36_2A.2@2296.27,2220 2301.07,2224.8 Q3_2A.1@2370.68,2224.8 2370.44,2224.8 2365.09,2230.16 2365.09,2330.88 2388.2,2354 D10_2A.2@2397.6,2354
TX_OUT_GATE.4_N: D11_2B.2 Q3_2B.3 R40_2B.2 R41_2B.2 | length 238
  SIG TOP w10: R40_2B.2@2295.59,430 Q3_2B.3@2370,430 ; Q3_2B.3@2369.35,430 2364.41,425.06 2364.41,314.13 2388.54,290 D11_2B.2@2400.08,290
TX_OUT_GATE.4_P: D10_2B.2 Q3_2B.1 R36_2B.2 R37_2B.2 | length 227
  SIG TOP w10: R36_2B.2@2295.59,500 2300.39,504.8 Q3_2B.1@2370,504.8 2369.76,504.8 2364.41,510.16 2364.41,610.88 2387.53,634 D10_2B.2@2396.93,634
VCC1.0: C1.1@1431.4,1334.81 C2.1 C14.1 C17.1 C18.1 C19.1 C20.1 C21.1 C22.2 C26.1 L1.2 R1.2 R15.2 U3.G10 U3.H10 U3.J10 U3.L10 U3.M10 U3.M11 U3.N10 U3.N11 | length 513.6
  SIG TOP w10: U3.M11@1192.42,1977.13 v1(1212.11,1977.13) ; L1.2@1332.07,1308.1 1358.8,1308.1 1373.48,1322.78 L1.2@1373.48,1325.98 ; L1.2@1376.68,1322.78 1376.68,1368.32 1384.82,1376.47 1423.01,1376.47 1425.8,1373.68 v6(1427.88,1373.68) 1427.88,1338.33 C1.1@1431.4,1334.81
  PWR w10: v1(1094,1957.45) v1(1212.11,1957.45) v1(1212.11,1977.13)
  SIG BOT w10: R1.2@1381.45,1370.12 1381.74,1369.82 v6@1424.03,1369.82 ; R15.2@1425,1254.53 1424.03,1255.5 v6@1424.03,1369.82 ; v6(1427.88,1373.68) v6@1424.03,1369.82
  other v1: 1113.68,1957.45 1133.37,1957.45 1172.74,1957.45 1192.42,1957.45
  other v3: 1374.57,2020
VCC1.8: C6.1 C7.1 C23.1 C24.1 C25.1 C27.2 L2.2 L4.2 R3.2 R9.1 U3.C9 U3.H13 U3.J13 | length 339.1
  SIG TOP w3: L2.2@1130.88,1542.7 1158.85,1542.7 1185.77,1569.62 C7.1@1185.77,1594.91
  SIG TOP w10: v1(1113.68,2016.5) v1(1133.37,2016.5) ; C7.1@1185.77,1594.91 1204.37,1594.91 1217.47,1581.81 v6(1227.43,1571.85) 1227.43,1569.76 1229.48,1567.71 1229.48,1543.1 1235.71,1536.86 1253.09,1536.86 1254.33,1538.11 v6(1254.33,1571.6)
  PWR w10: v1(1113.68,2016.5) v1(1133.37,2016.5)
  SIG BOT w10: R9.1@995.37,1483.43 1038.58,1483.43 1052,1470.01 1055.93,1470.01
  other v1: 1015.29,1937.79
VCC3.3: C1.1@1212.64,2070.22 C8.1 C9.1 C10.2 C11.2 C12.1 C13.1 C30.1 C31.1 C32.1 C33.2 C34.2 C35.2 C36.1 C37.1 C38.1 C39.1 C40.1 C41.1 C42.1 C43.1 C44.1 C45.1 C46.1 C47.1 C48.1 C49.1 C50.1 C51.1 C52.1 C53.1 C54.1 C55.1 C56.1 C57.1 C58.1 C65.1 DS1.1 L3.2 P1.2 R5.2 R11.1 R17.2 R18.2 R19.2 R21.2 R22.2 R23.2 R47.1@1419.69,1800 U2.D6 U2.E1 U3.B19 U3.C14 U3.C18 U3.F17 U3.G12 U3.G13 U3.H3 U3.J7 U3.K1 U3.K7 U3.K12 U3.K13 U3.L7 U3.L12 U3.L13 U3.M7 U3.M8 U3.M12 U3.M17 U3.N7 U3.N8 U3.R1 U3.R17 U3.U13 U3.V1 U3.V6 U3.V9 Y1.1 Y1.4 | length 2395.5
  SIG TOP w10: v2(521.78,1321.96) 565.37,1321.96 DS1.1@567.32,1320 ; C9.1@1056.66,1090.97 1053.68,1087.99 v10(1053.68,1039.09) 1075.74,1017.04 1119.72,1017.04 C8.1@1120.74,1018.06 1120.74,1042.06 1121.33,1042.65 1121.33,1062.65 1136.02,1077.34 L3.2@1169.48,1077.34 ; U3.J7@1133.37,1898.39 v1(1153.05,1898.39) ; v1(1172.74,1996.82) U3.M12@1192.42,1996.82 ; v1(1192.42,1898.39) U3.M8@1192.42,1918.08 ; R47.1@1419.69,1800 1427.48,1792.2 1427.48,1786.43 1427.56,1786.35 C65.1@1427.56,1760 1428.9,1758.66 1428.9,1731.1 v3(1430,1730)
  PWR w10: v1(1094,1996.82) v1(1094,2016.5) ; v1(1153.05,1898.39) v1(1192.42,1898.39) 1212.11,1898.39 v1(1212.11,1918.08) ; v1(1153.05,2016.5) v1(1153.05,1996.82) 1153.51,1996.36 1193.72,1996.36 1194.17,1995.91 ; 1360,1935 v2(1360,1970)
  SIG BOT w10: v2(521.78,1321.96) 613.04,1321.96 862.23,1072.77 R11.1@954.57,1072.77 955.72,1073.92 1034.86,1073.92 R5.2@1040.03,1079.09 1040.97,1079.09 1053.68,1066.37 v10(1053.68,1039.09) ; C47.1@892.71,2059.19 v9(932.91,2059.19) 932.91,2016.77 918.96,2002.82 C30.1@918.96,1992.19 ; C33.2@894.05,2143.94 v2(933.58,2143.94) 933.58,2147.73 924.95,2156.36 C46.1@924.95,2203.97 952.15,2203.97 968.04,2188.08 971.96,2188.08 995.55,2164.49 v4(995.55,2149.22) ; C34.2@894.27,2101.9 v2(932.01,2101.9) ; v4(1015.26,2036.19) 1017.37,2036.19 1030.67,2022.89 1030.67,2020.31 1042,2008.98 C31.1@1042.98,2008.98 ; C53.1@1023.79,1735.1 1048.81,1735.1 v2(1061.33,1747.62) ; v2(1068.6,1852.06) C56.1@1068.6,1880.74 ; v4(1074.31,2095.25) 1082.33,2087.23 C35.2@1082.33,2070.34 ; C36.1@1082.7,2039.99 1082.7,2029.58 1092.9,2019.37 1092.9,2017.6 v1(1094,2016.5) ; C54.1@1102.01,1710.07 v2(1102.01,1748) ; v1(1113.68,1819.65) 1114.78,1820.75 1114.78,1822.87 1126.99,1835.07 1127.47,1835.07 1135.96,1843.56 C57.1@1135.96,1844.54 ; C58.1@1135.91,1873.2 1135.91,1874.18 1151.95,1890.23 1151.95,1897.29 v1(1153.05,1898.39) ; C37.1@1146.3,2070.22 1146.4,2070.12 1146.4,2040.86 C38.1@1146.5,2040.76 ; C52.1@1146.45,1727.98 1151.95,1733.48 1151.95,1779.18 v1(1153.05,1780.28) ; C38.1@1146.5,2039.78 1168.68,2017.6 1171.64,2017.6 1172.74,2016.5 v1(1172.74,1996.82) ; C44.1@1176.82,1873.9 1176.82,1874.88 1191.32,1889.39 1191.32,1897.29 v1(1192.42,1898.39) ; C49.1@1212.84,2040.76 1212.74,2040.86 1212.74,2070.12 C1.1@1212.64,2070.22 1213.01,2070.59 1240.85,2070.59 C50.1@1241.21,2070.95 1241.21,2084.98 v4(1251.48,2095.25) 1251.48,2085.55 1265.75,2071.28 C51.1@1266.73,2071.28 ; v1@1216.01,1916.98 1213.21,1916.98 v1(1212.11,1918.08) 1224.98,1918.08 1225.24,1918.34 1234.09,1918.34 C42.1@1238.93,1923.18 ; v1(1251.48,1780.28) 1251.58,1780.18 1251.58,1767.41 1263,1755.99 C39.1@1263,1725.4 ; v2(1359.78,1839.48) 1362.46,1836.8 1394.2,1836.8 C40.1@1397.52,1833.49 ; v2(1360,1970) C45.1@1392.28,1970 ; v2(1360.76,1878.92) C41.1@1398.56,1878.92 ; C43.1@1511.63,1896.96 C43.1@1511.63,1897.95
  other v1: 1310.54,1780.28 1310.54,1878.71 1310.54,1937.76 1170.16,2017.6
  other v3: 1204.92,2292.19 1174.8,2437.86
  other v4: 1192.42,2095.25 1015.26,2114.93
pads on no net: CN1.H1 CN1.H2 FD1.0 J1.MH1 J1.MH2 P1.MH1 P1.MH2
copper on no net: | length 1.3
  SIG TOP w0: 1244.4,1524.31 1244.59,1524.5
  SIG TOP w10: 1156.19,1597.09 1156.94,1596.34
  other v1: 1231.8,1780.28
  other v7: 740,170
  other v11: 185,165

## Polygon pours and split planes (outlines as drawn)
VCC1.8 on SIG TOP "GND1_pour" (solid, remove dead copper, pour order 58): 1182.3,1501.43 1304.5,1501.43 1304.5,1592.06 1183.42,1713.14 942.16,1713.14 942.16,2140.21 941.13,2139.19 886.12,2139.19 886.12,1696.32 912.66,1669.78 1150.94,1669.78 1183.02,1637.7
+5 on SIG TOP "GND1_pour" (solid, remove dead copper, pour order 48): 844.08,907.02 844.08,1441.83 851.19,1448.94 932.47,1448.94 932.47,1341.8 967.31,1306.96 1012.57,1306.96 1032.56,1286.97 1014.78,1269.19 973.39,1269.19 950.12,1245.91 950.12,1102.37 1001.2,1051.29 1003.14,1049.35 1003.14,1025.43 1111.4,907.02
GND on SIG TOP "GND1_pour" (solid, remove dead copper, pour order 47): -75,310.44 -75,1009.42 360.3,1009.42 360.3,309.62
+12 on SIG TOP "GND1_pour" (solid, remove dead copper, pour order 46): 580.53,1034.17 580.53,862.55 452.64,734.65 452.64,1030.16
GND on SIG TOP "GND1_pour" (solid, remove dead copper, pour order 44): 815.76,186.98 815.36,187.38 815.36,338.62 847.3,338.62 946.78,239.14 1447.83,239.14 1448.95,238.02 1448.45,237.53 1448.45,4.19 818.59,4.19 814.61,0.21
GND on SIG TOP "GND1_pour" (solid, remove dead copper, pour order 43): -125,313.9 361.1,313.9 489.43,185.56 611.5,185.56 623.36,173.7 623.36,0.07 -125,0.07
+12 on SIG TOP "GND1_pour" (solid, remove dead copper, pour order 30): 370,894.07 370,1031.72 455,1031.72 455,490 502.6,442.4 642.6,442.4 690,395 790,395 790,228.53 487.32,228.53 370,345.85
5V_Rail on SIG TOP "GND1_pour" (solid, remove dead copper, pour order 41): 508.8,602.87 510.42,604.49 728.09,604.49 728.09,658.02 750.18,680.11 894.62,680.11 999.56,575.17 1312.1,575.17 1405.91,668.98 1405.91,925.27 704.03,925.27 645.66,866.9 645.66,643.13 510.16,643.13 507.05,646.23
+5 on SIG TOP "GND1_pour" (solid, remove dead copper, pour order 20): 1184.1,1236.84 1194.1,1226.84 1239.1,1226.84 1239.1,1271.84 1219.1,1291.84 1184.1,1291.84
+12 on SIG TOP "GND1_pour" (solid, remove dead copper, pour order 33): -45,1025 -45,1235 465,1235 580.54,1119.46 580.54,1025
GND on SIG TOP "GND1_pour" (solid, remove dead copper, pour order 32): 645,187.5 840,187.5 840,2.5 645,2.5
+5 on PWR "GND1_pour" (solid, remove dead copper, pour order 61): 2035,3370 2040,3375 2710,3375 2710,60 2715,55 2710,50 2035,50
VCC3.3 on PWR "GND1_pour" (solid, remove dead copper, pour order 57): 1063.23,1146.34 1063.23,1791.96 1063.23,2502.23 953.82,2502.23 892.72,2441.12 892.72,1840.07
VCC1.0 on PWR "GND1_pour" (solid, remove dead copper, pour order 56): 1228.07,1948.74 1229.42,1950.09 1271.11,1950.09 1271.11,1999.95 1419.52,1999.95 1419.52,1442.45 1153.01,1442.45 1111.24,1400.68 1297.67,1214.25 1521.55,1214.25 1508.42,2035.97 1267.88,2035.97 1225.94,1994.03
VCC1.0 on PWR "GND1_pour" (solid, remove dead copper, pour order 55): 1085.12,1968.48 1085.12,1946.37 1087.49,1948.74 1228.07,1948.74 1228.07,1982.41 1228.97,1983.31 1226.32,1985.97 1187.97,1985.97 1187.97,1970.58 1182.94,1965.54 1180.14,1968.34 1084.98,1968.34
VCC3.3 on PWR "GND1_pour" (solid, remove dead copper, pour order 54): 1015.26,2114.93 1015.26,2502.53 1016.29,2503.55 1018.43,2501.41 1396.32,2501.41 1396.32,2102.2 1290.45,2037.23 1253.97,2037.23
VCC3.3 on PWR "GND1_pour" (solid, remove dead copper, pour order 53): 1039.46,1943.48 1039.46,2027.24 1024.21,2027.24 1015.26,2036.19 1015.26,2114.93 1034.95,2114.93 1396.46,2114.93 1396.46,2036.19 1231.8,2036.19 1194.17,1998.57 1194.17,1995.91 1153.97,1995.91 1133.37,2016.5 1113.68,2016.5 1082.27,1985.09 1082.27,1935.71
VCC3.3 on PWR "GND1_pour" (solid, remove dead copper, pour order 52): 1036.93,1941.09 1036.93,1840.81 1110.78,1840.81 1111.3,1841.34 1113.95,1838.69 1113.95,1759.83 1029.53,1759.83 1030.32,1759.05 1030.32,1655.14 1379.1,1655.14 1380.16,1654.08 1402.21,1676.13 1402.21,1941.39
VCC3.3 on PWR "GND1_pour" (solid, remove dead copper, pour order 49): 1031.22,1322.16 946.46,1667 946.46,921.67 1437.45,921.67 1445.77,929.99 1440.78,934.98 1440.78,1181.38 1175.89,1181.38
+5 on PWR "GND1_pour" (solid, remove dead copper, pour order 50): -2.83,1312.57 542.62,1312.57 542.62,808.47 472.49,738.34 472.49,520.95 1454.26,520.95 1449,526.21 1449,910.13 938.84,910.13 938.84,1634.95
+5 on SIG BOT "GND1_pour" (solid, remove dead copper, pour order 51): 878.26,1392.36 1129.66,1392.36 1150.47,1413.18 1246.85,1413.18 1276.12,1442.45 1329.14,1442.45 1329.14,1380 1321.66,1372.52 1237.1,1372.52 1219.1,1354.52 1219.1,1298.52 1242.43,1275.18 1368.94,1275.18 1368.94,1265.14 1388.25,1245.83 1365.36,1222.94 1312.84,1222.94 1242.43,1190.69 1159.62,1190.69 1157.52,1188.58 1155.22,1190.88 952.5,1190.88 881.17,1262.22 872.42,1262.22 872.42,1391.12 870.21,1393.34
GND on GND 1 "GND1_pour" (solid, remove dead copper, pour order 59): -50,0 -50,3500 3700,3500 3700,0
GND on GND 2 "GND1_pour" (solid, remove dead copper, pour order 60): -50,0 -50,3500 3700,3500 3700,0

## Keep-outs
Keep-Out Layer:
  rectangle: 2565.68,315 2970,833

## Silkscreen, mask and mechanical layers (free items; w line width, h text height)
Top Overlay:
  lines w10: 1715,1745 3615,1745 ; 1715,1745 1715,900 3615,900 3615,1745 ; 1715,1745 3615,1745 ; 1715,1745 1715,2590 3615,2590 3615,1745 ; 1710,2620 3610,2620 3610,3465 1710,3465 1710,2620 ; 1715,45 3615,45 3615,890 1715,890 1715,45
  text "←VRef" at 1430,1830 h40 r90
  text "CH.2B" at 1755,905 h60

## Text inside footprints (layer, text, board x,y; h text height)
CN1: Top 3D Body "Board Edge" at -58.66,2358.31 h19.68 r270
T1_1A: Top Overlay "T?" at 3049.32,2693.39 h60 r180; Top Overlay "5" at 2609.32,2908.39 h60 r180; Top Overlay "3" at 2679.32,3078.39 h60 r180; Top Overlay "1" at 2599.32,3233.39 h60 r180; Top Overlay "6" at 3009.32,2903.39 h60 r180; Top Overlay "4" at 2939.32,3078.39 h60 r180; Top Overlay "2" at 3014.32,3238.39 h60 r180
T1_1B: Top Overlay "T?" at 3047.16,976.4 h60 r180; Top Overlay "5" at 2607.16,1191.4 h60 r180; Top Overlay "3" at 2677.16,1361.4 h60 r180; Top Overlay "1" at 2597.16,1516.4 h60 r180; Top Overlay "6" at 3007.16,1186.4 h60 r180; Top Overlay "4" at 2937.16,1361.4 h60 r180; Top Overlay "2" at 3012.16,1521.4 h60 r180
T1_2A: Top Overlay "2" at 3010,2381.4 h60 r180; Top Overlay "4" at 2935,2221.4 h60 r180; Top Overlay "6" at 3005,2046.4 h60 r180; Top Overlay "1" at 2595,2376.4 h60 r180; Top Overlay "3" at 2675,2221.4 h60 r180; Top Overlay "5" at 2605,2051.4 h60 r180; Top Overlay "T?" at 3045,1836.4 h60 r180
T1_2B: Top Overlay "5" at 2608.32,335.4 h40 r180; Top Overlay "3" at 2674.32,501.4 h60 r180; Top Overlay "1" at 2594.32,656.4 h60 r180; Top Overlay "6" at 3004.32,326.4 h60 r180; Top Overlay "4" at 2938.32,505.4 h40 r180; Top Overlay "2" at 3013.32,665.4 h40 r180